# Altium PCB obc_board.PcbDoc (part 2 of 2)
Units mm, origin at the board's own origin, x right, y up, seen from the top; angles counter-clockwise.
Board outline 89 x 93.3 mm, 4 copper layers (Top Layer, Ground Plane, Power Plane, Bot Layer), stack 1.57 mm thick; 143 components, 109 nets, 735 pads, 627 vias.
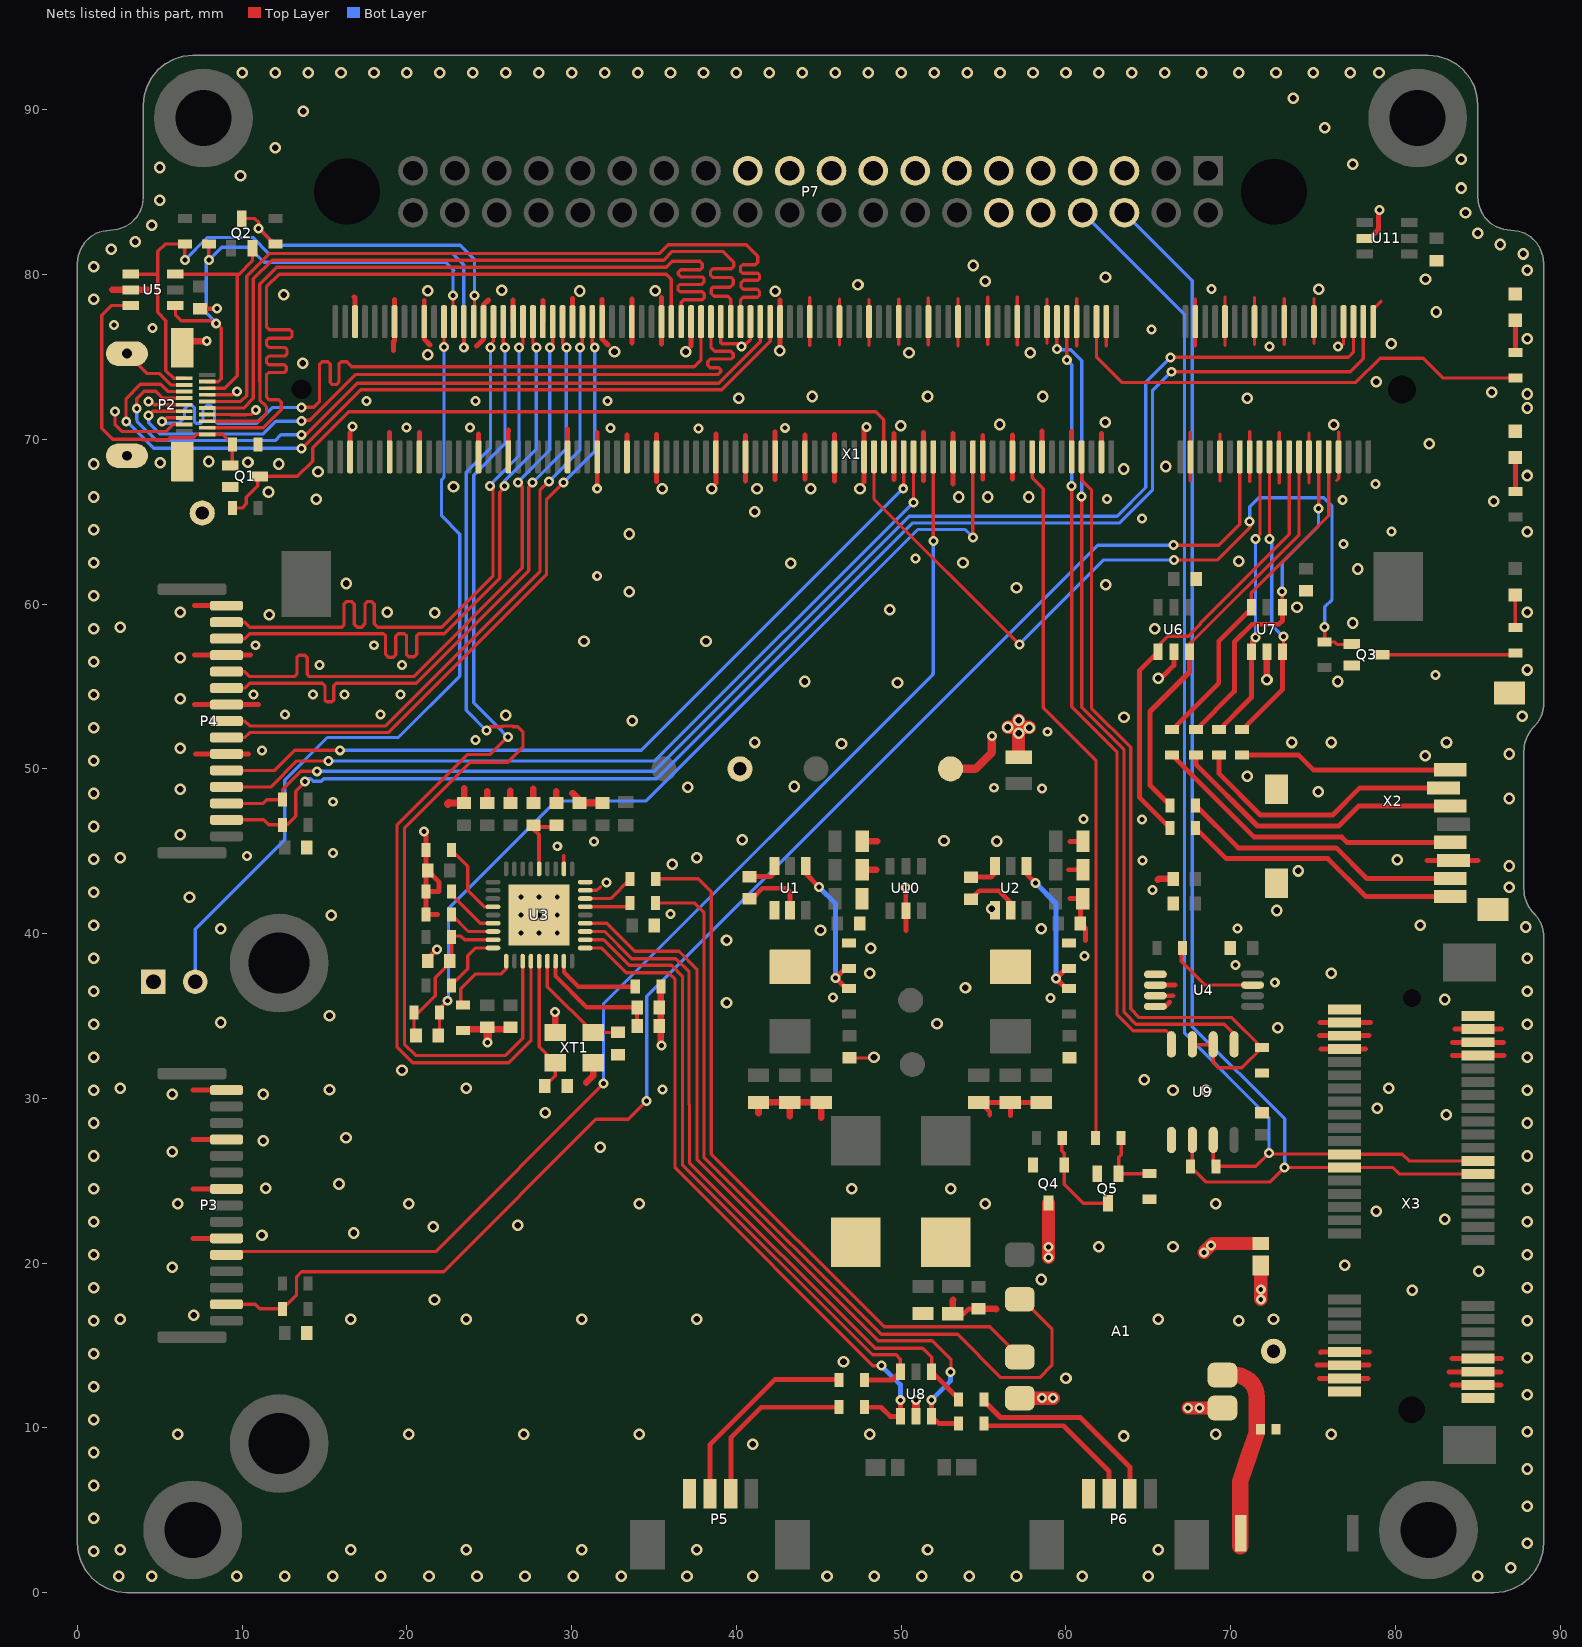
[diagram p4: the nets of this part, all layers, seen from the top]

## Via types
v1: diameter 0.705, hole 0.4, Top Layer to Bot Layer, tented both sides, 366 vias
v2: diameter 0.605, hole 0.3, Top Layer to Bot Layer, tented both sides, 251 vias
v3: diameter 0.605, hole 0.3, Top Layer to Bot Layer, 10 vias

## Nets (pads, with @x,y where several pads share a name; then routed paths per layer and width w, separated by ;. In a path a pad name is that pad's centre, name@x,y a point inside that pad or via, vN(x,y) a via of type N, cw(c..) or ccw(c..) an arc to the next point about the centre after c; other vN are vias at no path point) (continued)
CAM0_SDA: P3.14 R16.1 X1.28 | length 89.8
  Top Layer w0.2: P3.14@9.05,17.5 10.8,17.5 11.075,17.225 R16.1@12.45,17.225 13.3,18.075 13.3,19.174 13.601,19.475 22.222,19.475 31.472,28.725 33.425,28.725 v2(34.55,29.85) ; v2(66.525,63.575) 69.275,63.575 70.548,64.848 70.548,65.25 70.55,65.252 X1.28@70.55,68.938
  Bot Layer w0.2: v2(34.55,29.85) 34.55,36.2 61.928,63.578 61.931,63.575 v2(66.525,63.575)
CAM0_SHT: P3.11 X1.78 | length 73.6
  Top Layer w0.2: P3.11@9.05,20.5 9.25,20.7 21.75,20.7 31.925,30.875 v2(31.925,30.9) ; v2(51.95,63.825) 51.95,68.838 51.9,68.888 X1.78@51.95,68.938
  Bot Layer w0.2: v2(31.925,30.9) 31.925,35.725 51.95,55.75 51.9,55.8 51.95,55.85 v2(51.95,63.825)
CAM1_C_N: P4.8 X1.149 | length 39.5
  Top Layer w0.2: P4.8@9.05,52.9 10.15,52.9 10.45,52.6 18.7,52.6 28.075,61.975 28.075,66.898 v2(28.612,67.435) ; X1.149@30.65,77.138 v2@30.65,75.725 ; v2@30.65,75.725 v2(30.5,75.575) 30.548,75.575 30.65,75.677 v2@30.65,75.725
  Bot Layer w0.2: v2(28.612,67.435) 30.5,69.323 v2(30.5,75.575)
CAM1_C_P: P4.9 X1.147 | length 40.2
  Top Layer w0.2: P4.9@9.05,51.9 10.15,51.9 10.45,52.2 18.866,52.2 28.475,61.809 28.475,66.375 29.475,67.375 v2(29.5,67.375) ; X1.147@31.25,77.138 31.25,75.6 31.275,75.575 v2(31.4,75.575)
  Bot Layer w0.2: v2(29.5,67.375) 31.4,69.275 v2(31.4,75.575)
CAM1_D0_N: P4.2 X1.161 | length 39.4
  Top Layer w0.2: P4.2@9.05,58.9 10.15,58.9 10.45,58.6 16.05,58.6 16.175,58.725 16.175,60 16.325,60.15 16.65,60.15 16.8,60 16.8,58.775 16.975,58.6 17.25,58.6 17.45,58.8 17.45,60 17.6,60.15 17.875,60.15 18.025,60 18.025,58.8 18.225,58.6 22.1,58.6 25.225,61.725 25.225,67.155 25.205,67.175 v2(25.05,67.175) ; v2(26.8,75.575) 27.05,75.825 X1.161@27.05,77.138
  Bot Layer w0.2: v2(25.05,67.175) 25.05,67.236 26.8,68.986 v2(26.8,75.575)
CAM1_D0_P: P4.3 X1.159 | length 39.7
  Top Layer w0.2: P4.3@9.05,57.9 10.15,57.9 10.45,58.2 18.575,58.2 18.7,58.075 18.7,56.95 18.875,56.775 19.175,56.775 19.325,56.925 19.325,58.05 19.475,58.2 19.85,58.2 19.975,58.075 19.975,56.925 20.1,56.8 20.45,56.8 20.6,56.95 20.6,58.075 20.725,58.2 22.266,58.2 25.625,61.559 25.625,66.775 25.926,67.076 v2(25.926,67.178) ; X1.159@27.65,77.138 27.65,75.825 27.851,75.624 v2(27.851,75.579)
  Bot Layer w0.2: v2(25.926,67.178) 25.926,67.476 27.851,69.401 v2(27.851,75.579)
CAM1_D1_N: P4.5 X1.155 | length 39
  Top Layer w0.2: P4.5@9.05,55.9 10.15,55.9 10.45,55.6 13.175,55.6 13.325,55.75 13.325,56.775 13.45,56.9 13.8,56.9 13.95,56.75 13.95,55.725 14.075,55.6 20.4,55.6 27,62.2 27,67.125 26.975,67.125 26.751,67.349 v2(26.751,67.378) ; v2(28.675,75.575) 28.85,75.75 X1.155@28.85,77.138
  Bot Layer w0.2: v2(26.751,67.378) 26.751,67.426 28.675,69.35 v2(28.675,75.575)
CAM1_D1_P: P4.6 X1.153 | length 39.4
  Top Layer w0.2: P4.6@9.05,54.9 10.15,54.9 10.45,55.2 14.875,55.2 15.025,55.05 15.025,54.175 15.125,54.075 15.45,54.075 15.55,54.175 15.55,55.05 15.7,55.2 20.566,55.2 27.4,62.034 27.4,67.102 27.626,67.328 v2(27.626,67.378) ; X1.153@29.45,77.138 29.45,75.8 v2(29.675,75.575)
  Bot Layer w0.2: v2(27.626,67.378) 29.675,69.427 v2(29.675,75.575)
CAM1_LED: P4.12 X1.82 | length 51.6
  Top Layer w0.2: P4.12@9.05,48.9 11.75,48.9 13.325,50.475 v2(15.25,50.475) ; v2(50.75,66.175) X1.82@50.75,68.938
  Bot Layer w0.2: v2(15.25,50.475) 35.05,50.475 v2(50.75,66.175)
CAM1_SCL: P4.13 R19.1 X1.5 | length 85.7
  Top Layer w0.2: P4.13@9.05,47.9 11.275,47.9 11.5,48.125 R19.1@12.45,48.125 12.45,48.75 13.55,49.85 v2(14.55,49.85) ; v2(66.35,74.975) 77.15,74.975 77.45,75.275 X1.5@77.45,77.138
  Bot Layer w0.2: v2(14.55,49.85) 35,49.85 50.475,65.325 63.1,65.325 64.85,67.075 64.85,73.475 v2(66.35,74.975)
CAM1_SDA: P4.14 R18.1 X1.3 | length 87.6
  Top Layer w0.2: P4.14@9.05,46.9 11.3,46.9 11.6,46.6 R18.1@12.45,46.6 12.725,46.6 13.25,47.125 13.25,48.625 13.825,49.2 v2(13.825,49.225) ; v2(66.4,74.1) 77.25,74.1 78.05,74.9 X1.3@78.05,77.138
  Bot Layer w0.2: v2(13.825,49.225) 14,49.4 14.148,49.4 14.3,49.247 14.8,49.247 14.952,49.4 35.175,49.4 50.7,64.925 63.266,64.925 65.25,66.909 65.25,72.95 v2(66.4,74.1)
CAM1_SHT: P4.11 X1.84 | length 50.1
  Top Layer w0.2: P4.11@9.05,49.9 11.975,49.9 13.2,51.125 v2(15.925,51.125) ; v2(50.125,67) 50.15,67.025 X1.84@50.15,68.938
  Bot Layer w0.2: v2(15.925,51.125) 34.225,51.125 50.1,67 v2(50.125,67)
EMMC_EN: Q3.1 R27.1 X1.90 | length 48.9
  Top Layer w0.2: X1.90@48.35,68.938 48.35,66.375 v2(57.175,57.55) ; v2(66.55,62.675) 69.2,62.675 71.2,64.675 71.2,64.95 v2(71.15,65) ; v2(75.7,58.6) R27.1@75.7,57.7 76.3,57.7 76.45,57.55 77.325,57.55 Q3.1@77.35,57.575
  Bot Layer w0.2: v2(57.175,57.55) 62.3,62.675 v2(66.55,62.675) ; v2(71.15,65) 71.15,65.9 71.7,66.45 75.65,66.45 76.15,65.95 76.15,60.275 75.7,59.825 v2(75.7,58.6)
GND: C2.2 C3.2 C4.1 C5.1 C6.2 C7.2 C8.2 C9.2 C10.2 C12.2 C13.2 C14.1 C15.1 C16.2 C17.2 C18.2 C19.2 C20.2 C21.1 C22.1 C23.1 C24.1 C25.1 C26.1 C27.1 C29.1 C30.1 C31.1 C32.1 C33.2 C34.1 C35.1 C36.1 C37.1 C38.1 C39.1 C40.1 C41.1 C42.1 C43.1 C44.1 C45.1 C46.2 C47.1 C48.1 C49.1 C50.1 D1.1 D2.1 D4.1 JP3.1 P1.1 P2.4 P2.7 P2.10 P2.13 P2.16 P2.20 P2.21 P2.22 P2.23 P3.1 P3.4 P3.7 P3.10 P4.1 P4.4 P4.7 P4.10 P5.4 P6.4 P7.5 P7.7 P7.9 P7.11 P7.13 P7.15 P7.17 P7.19 P7.21 P7.23 Q1.2 Q3.2 Q4.2 Q5.2 R3.1 R5.1 R8.1 R15.1 R35.1 R36.1 R37.1 R38.1 R41.1 R43.1 TP5.0 TP6.0 TP7.0 U1.1 U2.1 U3.8 U3.9 U3.11 U3.37 U4.1 U4.2 U4.3 U4.4 U5.2 U6.2 U7.2 U8.2 U9.5 U10.2 U11.2 X1.1 X1.7 X1.8 X1.13 X1.14 X1.19 X1.20 X1.25 X1.26 X1.31 X1.32 X1.37 X1.38 X1.43 X1.44 X1.49 X1.50 X1.55 X1.56 X1.61 X1.62 X1.67 X1.68 X1.73 X1.74 X1.79 X1.80 X1.85 X1.86 X1.91 X1.92 X1.97 X1.98 X1.103 X1.104 X1.109 X1.110 X1.115 X1.116 X1.121 X1.122 X1.127 X1.133 X1.134 X1.139 X1.140 X1.145 X1.146 X1.151 X1.152 X1.157 X1.163 X1.164 X1.169 X1.170 X1.181 X1.182 X1.187 X1.188 X1.195 X1.196 X2.6 X2.9 X2.10 X2.11 X2.12 X3.1 X3.2 X3.3 X3.4 X3.5 X3.6 X3.7 X3.8 X3.45 X3.46 X3.47 X3.48 X3.49 X3.50 X3.51 X3.52 XT1.2 XT1.4 | length 297.6
  Top Layer w0.2: v2(2.275,71.675) 2.275,70.91 2.713,70.473 5.375,70.473 5.802,70.9 P2.4@6.475,70.9 ; P2.23@3,75.2 4.2,74 4.975,74 5.675,73.3 P2.16@6.475,73.3 ; v2(4.325,72.3) 4.45,72.3 4.65,72.1 P2.10@6.475,72.1 ; P2.7@7.875,71.5 9.322,71.5 9.325,71.497 10.256,71.497 10.258,71.5 10.55,71.5 v2(10.825,71.775) ; P2.13@7.875,72.7 9.425,72.7 9.675,72.95 v2(9.675,72.904) ; U3.11@29.525,43.925 29.525,44.725 ; U3.8@30.825,42.625 31.525,42.625 31.75,42.85 ; X1.121@39.05,77.138 39.05,75.85 39.1,75.8 40.6,75.8 40.85,76.05 X1.115@40.85,77.138 ; 44.45,75.7 X1.103@44.45,77.138 44.45,78.6 ; 46.25,75.725 X1.97@46.25,77.138 46.25,78.5 ; C10.2@46.975,32.45 48.3,32.45 v1(48.35,32.5) ; 48.05,75.7 X1.91@48.05,77.138 48.05,78.475 ; 49.85,75.75 X1.85@49.85,77.138 49.85,78.5 ; 51.65,75.725 X1.79@51.65,77.138 51.65,78.575 ; 53.45,75.675 X1.73@53.45,77.138 53.45,78.55 ; 55.25,75.775 X1.67@55.25,77.138 55.25,78.625 ; 57.05,75.725 X1.61@57.05,77.138 57.05,78.625 ; 58.85,75.825 X1.55@58.85,77.138 58.85,78.5 ; 60.65,75.675 X1.49@60.65,77.138 60.65,78.525 ; 62.45,75.675 X1.43@62.45,77.138 ; 67.55,67.475 X1.38@67.55,68.938 67.55,70.425 ; 67.85,75.675 X1.37@67.85,77.138 67.85,78.5 ; 69.35,67.475 X1.32@69.35,68.938 69.35,70.325 ; 69.65,75.7 X1.31@69.65,77.138 69.65,78.625 ; 71.15,67.45 X1.26@71.15,68.938 71.15,70.45 ; 71.45,75.775 X1.25@71.45,77.138 71.45,78.6 ; 72.95,67.35 X1.20@72.95,68.938 72.95,70.4 ; 73.25,75.775 X1.19@73.25,77.138 73.25,78.525 ; 74.75,67.35 X1.14@74.75,68.938 74.75,70.375 ; 75.05,75.825 X1.13@75.05,77.138 75.05,78.55 ; 76.425,67.5 76.55,67.625 X1.8@76.55,68.938 76.55,70.425 ; 76.85,75.75 X1.7@76.85,77.138 ; X1.1@78.65,77.138 78.65,77.9 79.125,78.375
  Top Layer w0.3: 7,21.5 P3.10@9.05,21.5 ; 7,24.5 P3.7@9.05,24.5 ; 7,27.5 P3.4@9.05,27.5 ; 7,30.5 P3.1@9.05,30.5 ; 7.1,53.9 P4.7@9.05,53.9 11,53.9 ; 7.1,56.9 P4.4@9.05,56.9 10.5,56.9 ; 7.1,59.9 P4.1@9.05,59.9 ; 7.15,50.9 P4.10@9.05,50.9 10.4,50.9 ; C37.1@7.45,77.925 v2@8.425,77.925 ; X1.196@16.55,68.938 16.55,70.425 ; 16.8,78.65 16.85,78.6 X1.195@16.85,77.138 ; X1.188@18.95,68.938 18.95,70.4 ; 19.175,75.397 19.175,75.925 19.25,76 X1.187@19.25,77.138 19.25,78.5 ; X1.182@20.75,68.938 20.75,70.425 ; v2(21.025,46.2) 21.15,46.075 R35.1@21.15,45.075 R36.1@21.15,42.555 ; 21.05,78.425 X1.181@21.05,77.138 21.05,76.075 21.4,75.725 ; C33.2@21.25,38.32 21.25,38.452 21.835,39.037 v2(21.835,39.04) ; C35.1@21.25,43.825 21.955,43.12 21.955,42.555 R36.1@21.15,42.555 ; 21.86,41.16 R37.1@21.15,41.16 R36.1@21.15,42.555 ; 24.225,75.65 24.424,75.849 ; X1.170@24.35,68.938 24.35,70.325 ; 24.424,75.849 24.65,76.075 X1.169@24.65,77.138 24.65,78.156 24.947,78.453 ; X1.164@26.15,68.938 26.15,70.475 26.175,70.5 26.175,70.575 ; X1.163@26.45,77.138 26.45,78.45 ; X1.157@28.25,77.138 28.25,78.425 ; X1.152@29.75,68.938 29.75,70.625 ; X1.151@30.05,77.138 30.05,78.55 ; v2(31.55,67) X1.146@31.55,68.938 31.55,70.4 ; 31.85,78.475 X1.145@31.85,77.138 31.85,76.075 32.2,75.725 ; X1.140@33.35,68.938 33.35,70.275 ; 33.65,75.85 X1.139@33.65,77.138 33.65,78.525 ; 35.15,67.45 X1.134@35.15,68.938 35.15,70.3 ; 35.45,75.775 X1.133@35.45,77.138 35.45,78.6 ; 37.25,75.65 X1.127@37.25,77.138 ; 38.75,67.35 X1.122@38.75,68.938 38.75,70.325 ; 40.55,67.475 X1.116@40.55,68.938 40.55,70.225 ; 42.35,67.55 X1.110@42.35,68.938 42.35,70.45 ; v1(42.625,75.375) 42.65,75.4 X1.109@42.65,77.138 42.65,78.45 ; 44.15,67.6 X1.104@44.15,68.938 44.15,70.275 ; 45.95,67.475 X1.98@45.95,68.938 45.95,70.3 ; 47.75,67.4 X1.92@47.75,68.938 47.75,70.6 v2(47.9,70.75) ; 49.55,67.55 X1.86@49.55,68.938 49.55,70.35 ; v2(50.275,42.8) 50.275,41.391 U10.2@50.279,41.387 50.279,40.179 ; v2@50.9,11.674 v2(50.901,11.676) ; 51.35,67.5 X1.80@51.35,68.938 51.35,70.425 ; C47.1@53.125,16.925 53.8,16.925 54.1,17.225 C48.1@54.7,17.225 ; 53.15,67.3 X1.74@53.15,68.938 53.15,70.35 ; C19.2@54.713,29.75 C19.2@54.8,29.75 ; 54.95,67.575 X1.68@54.95,68.938 54.95,70.225 ; 55.375,29 55.375,29.175 C19.2@54.8,29.75 ; 56.625,28.95 C18.2@56.625,29.75 ; 56.75,67.575 X1.62@56.75,68.938 56.75,70.275 ; C17.2@58.513,29.75 C18.2@56.625,29.75 ; X1.56@58.55,68.938 58.55,70.5 ; 60.158,43.875 C14.1@61.033,43.875 ; 60.25,42.125 C16.2@61.025,42.125 60.875,41.975 C13.2@60.875,40.625 61.175,40.325 61.175,39.575 ; 60.25,45.6 C15.1@61.033,45.6 C15.1@60.958,45.525 ; X1.50@60.35,68.938 60.35,70.475 ; X1.44@62.15,68.938 62.15,70.35 ; U4.4@65.425,35.575 66.025,35.575 66.3,35.85 ; U4.3@65.425,36.225 66.5,36.225 ; U4.2@65.425,36.875 66.625,36.875 ; 65.95,55.675 66.55,56.275 U6.2@66.55,57.1 ; 75.225,13.8 X3.6@76.9,13.8 78.4,13.8 ; 75.375,13 X3.4@76.9,13 78.325,13 ; 75.4,33.8 X3.48@76.9,33.8 78.4,33.8 ; 75.425,34.6 X3.50@76.9,34.6 78.475,34.6 ; 75.45,14.575 75.475,14.6 X3.8@76.9,14.6 78.425,14.6 ; 75.475,33 X3.46@76.9,33 78.175,33 ; U11.2@78.125,82.2 78.445,82.2 78.975,82.73 78.975,83.875 v2(79.025,83.925) ; 81.915,44.44 X2.6@83.525,44.44 85.015,44.44 ; 83.25,13.4 X3.5@85,13.4 86.4,13.4 ; 83.425,12.6 X3.3@85,12.6 86.4,12.6 ; 83.425,14.2 X3.7@85,14.2 86.425,14.2 ; 83.45,32.6 X3.45@85,32.6 86.6,32.6 ; 83.45,33.4 X3.47@85,33.4 86.55,33.4 ; 83.625,34.2 X3.49@85,34.2 86.45,34.2 ; C19.2@54.8,29.75 C18.2@56.625,29.75
  Top Layer w0.4: 2.125,79.075 U5.2@3.25,79.075 4.275,79.075 ; P2.22@6.37,75.55 P2.22@6.77,75.95 ; P2.22@6.845,76.025 P2.22@6.77,75.95 ; v2@7.8,75.95 P2.22@6.77,75.95 ; v2(21.835,39.04) 21.882,39.04 v2@21.924,39.082 ; 22.55,47.925 C21.1@23.475,47.925 23.475,48.825 ; R38.1@23.225,34.2 24.9,34.2 C23.1@25.975,34.2 ; C22.1@24.875,47.925 24.875,48.625 ; C34.1@26.275,47.925 26.275,48.675 ; C31.1@27.675,47.925 27.675,48.775 ; XT1.2@29,34 v2(29,35.25) ; C32.1@29.075,47.925 29.075,48.625 ; 30.05,48.525 30.475,48.1 C26.1@30.475,47.925 C27.1@31.875,47.925 ; 30.875,30.95 31.3,31.375 XT1.4@31.3,32.15 ; v2@35.409,33.334 R8.1@35.409,36.775 ; 41.338,29.087 C9.2@41.338,29.75 C8.2@43.238,29.75 ; 43.238,28.913 C8.2@43.238,29.75 ; 45.138,28.813 C7.2@45.138,29.75 C8.2@43.238,29.75 ; C5.1@47.636,43.875 48.475,43.875 ; C4.1@47.636,45.6 48.55,45.6 ; C47.1@53.125,16.925 53.125,17.75 53.15,17.775 ; C48.1@54.7,17.225 55.75,17.225 55.775,17.2 ; 65.575,43.275 65.625,43.325 C40.1@66.5,43.325 ; 72.2,55.775 U7.2@72.2,57.1
  Top Layer w0.5: 22.5,47.875 22.55,47.925 ; C24.1@24.875,34.3 24.9,34.275 24.9,34.2 v2(24.9,33.4) ; U8.2@50.9,10.7 v2@50.9,11.674
  Top Layer w0.8: v2(71.825,17.8) v2(71.825,18.4) JP3.1@71.825,19.85
  other v1: 2.5,1 4.5,1 9.675,1 12.591,1 15.506,1 18.422,1 21.337,1 24.253,1 27.169,1 30.084,1 33,1 37,1 41,1 45.5,1 48.375,1 51.25,1 54.125,1 57,1 61,1 65,1 85,1 87,1.5 1,2.5 2.6,2.6 16.6,2.6 23.6,2.6 30.6,2.6 37.6,2.6 51.6,2.6 65.6,2.6 88,3 1,4.5 88,5.25 1,6.5 88,7.5 1,8.5 41,9 63.5,9.5 6.1,9.6 20.1,9.6 27.1,9.6 34.1,9.6 48.1,9.6 69.1,9.6 76.1,9.6 88,9.75 1,10.5 88,12 1,12.5 60,13 46.5,14 88,14.25 1,14.5 1,16.5 70.5,16.5 88,16.5 2.6,16.6 16.6,16.6 23.6,16.6 30.6,16.6 37.6,16.6 65.6,16.6 72.6,16.6 7.05,16.825 21.675,17.775 81.025,18.35 1,18.5 88,18.5 58.5,19 85.05,19.5 5.75,19.75 76.925,19.875 1,20.5 88,20.5 62,21 66.5,21 11.2,21.7 16.775,21.825 21.6,22.2 26.725,22.3 1,22.5 88,22.5 83,22.65 78.825,23.15 6.1,23.6 20.1,23.6 34.1,23.6 55.1,23.6 69.1,23.6 1,24.5 47,24.5 53,24.5 88,24.5 11.425,24.55 15.875,24.8 1,26.5 88,26.5 5.75,26.75 31.725,27.025 11.275,27.425 16.3,27.6 1,28.5 88,28.5 83.075,29 28.4,29.125 78.9,29.4 5.75,30.25 11.275,30.25 1,30.5 66.5,30.5 68.5,30.5 88,30.5 15.3,30.525 2.6,30.6 23.6,30.6 79.6,30.6 64.75,31.125 19.7,31.7 1,32.5 88,32.5 72.85,34.275 1,34.5 88,34.5 52.175,34.525 8.7,34.6 15.3,35 39.4,35.8 83,36 1,36.5 88,36.5 53.9,36.7 48.1,37.6 76.1,37.6 1,38.5 88,38.5 48.15,39.1 39.4,39.6 45.1,40.2 8.7,40.3 58.5,40.3 87.9,40.4 1,40.5 81.5,40.5 15.4,41.1 72.8,41.4 55.5,41.5 6.8,42.2 1,42.5 86.9,42.8 74.1,43.8 86.9,44.1 36.1,44.2 80.1,44.475 1,44.5 2.6,44.6 37.6,44.6 55.8,45.6 52.6,45.625 40.35,45.7 6.25,46 1,46.5 86.9,48.2 1,48.5 75.325,48.6 6.25,48.75 37.05,48.875 43.5,48.925 71,49.55 1,50.5 81.8,50.8 86.9,50.9 6.25,51.25 46.375,51.525 41.1,51.6 73.7,51.6 76.1,51.6 83.1,51.6 1,52.5 33.675,52.925 63.525,53.125 87.7,53.2 26,53.25 6.25,54.25 1,54.5 49.775,55.225 44.15,55.3 76.5,55.3 72.2,55.4 65.6,55.5 88,56 1,56.5 6.25,56.75 30.75,57.75 38.15,57.75 1,58.5 65.4,58.5 2.6,58.6 77.4,58.85 11.65,59.35 21.7,59.475 6.25,59.5 18.8,59.5 88,59.5 49.3,59.65 74.025,59.8 1,60.5 33.5,60.75 57,61 62.425,61.175 16.325,61.25 77.7,62.125 43.3,62.475 1,62.5 53.75,62.5 70.5,62.6 33.5,64.25 88,64.4 1,64.5 41.1,65.6 85.975,66.25 14.5,66.35 1,66.5 53.5,66.5 55.25,66.5 57.75,66.5 11.6,66.8 35.5,67 38.5,67 41.25,67 44.5,67 47.5,67 22.825,67.125 88,67.8 14.6,68.025 63.5,68.2 66.05,68.35 1,68.5 12.225,68.5 5.025,68.575 10.35,68.6 7.975,68.65 82.05,69.725 49.975,70.825 76.25,70.875 55.975,70.9 62.375,71.025 88,71.9 40.15,72.5 71,72.5 44.6,72.6 51.6,72.6 58.6,72.6 88,72.75 85.85,72.85 78.825,73.5 13.675,74.625 21.275,75.125 50.475,75.25 57.825,75.25 32.6,75.325 36.925,75.325 79.75,75.8 88,76.1 82.475,77.725 1,78.5 12.525,78.775 42.35,78.975 30.5,79 21.275,79.025 35.075,79.025 25.75,79.05 75.35,79.1 47.375,79.375 55.1,79.6 81.825,79.725 62.4,79.825 88,80.25 1,80.475 54.375,80.55 87.75,81.25 2.05,81.525 86.35,81.825 3.5,82 85,82.5 4.5,83 84.25,83.75 5,84.5 84,85.25 9.9,86 5,86.5 77.4,86.7 84,87 12,87.7 75.7,88.9 13.7,89.9 73.8,90.7 10,92.25 12,92.25 14,92.25 16,92.25 18,92.25 20,92.25 22,92.25 24,92.25 26,92.25 28,92.25 30,92.25 32,92.25 34,92.25 36,92.25 38,92.25 40,92.25 42,92.25 44,92.25 46,92.25 48,92.25 50,92.25 52,92.25 54,92.25 56,92.25 58,92.25 60,92.25 62,92.25 64,92.25 66,92.25 68.25,92.25 70.5,92.25 72.75,92.25 75,92.25 77.25,92.25 79,92.25
  other v2: 35.525,30.525 35.45,33.2 59.075,36.1 45.85,36.125 72.675,37.025 70.3,38.1 61.125,38.625 26.925,40.025 28.025,40.025 29.125,40.025 70.4,40.3 26.925,41.125 28.025,41.125 29.125,41.125 36,41.175 26.925,42.225 28.025,42.225 29.125,42.225 65.25,42.65 32.125,43.1 64.65,44.425 10.3,44.7 15.5,44.9 29.125,45.3 31.35,45.575 64.625,46.925 61.075,46.95 15.5,48 58.55,48.8 55.625,48.85 11.2,51.1 24.175,51.75 58.875,52.25 12.6,53.3 18.4,53.3 10.7,54.5 14.3,54.5 16.2,54.5 19.6,54.5 82.425,55.7 14.7,56.3 19.7,56.3 10.8,57.5 18,57.5 31.55,61.7 50.875,62.775 76.85,63.65 79.75,64.4 64.625,65.2 76.8,66.325 62.5,66.375 78.8,67.275 37.7,70.65 32.35,70.675 42.95,70.7 19.975,70.725 23.825,70.725 16.7,70.775 17.55,72.325 24.175,72.325 32.175,72.325 40.3,75.625 72.35,75.625 76.5,75.625 7.85,75.975 65.2,76.675 4.55,76.75 2.225,76.95 8.475,77.95 68.825,79.125
HAB_RESET: C28.1 R7.1 X1.70 | length 54.5
  Top Layer w0.2: C28.1@21.9,33.8 21.975,33.875 R7.1@21.975,35.2 21.975,35.425 v2(22.473,35.922) ; v2(54.35,64.05) X1.70@54.35,68.938
  Bot Layer w0.2: v2(22.473,35.922) 22.473,35.965 22.507,36 22.529,35.979 22.529,41.529 29.05,48.05 34.525,48.05 51,64.525 53.875,64.525 v2(54.35,64.05)
HCRFILT: C31.2 C32.2 U3.14 | length 3.9
  Top Layer w0.25: C31.2@27.675,46.475 C32.2@29.075,46.475 ; C31.2@27.725,46.3 28.025,46 U3.14@28.025,43.925
HDMI_CEC: Q2.3 R14.1 X1.171 | length 20.6
  Top Layer w0.2: Q2.3@9.975,83.4 10.775,83.4 11,83.175 v2(11,82.804) 11.954,81.85 R14.1@12.025,81.85 ; X1.171@24.05,77.138 24.1,77.188 v2(24.1,78.725)
  Bot Layer w0.2: v2(11,82.804) 12.029,81.775 23.25,81.775 24.1,80.925 v2(24.1,78.725)
HDMI_CEC_PIN: P2.15 Q2.2 U5.6 | length 14.1
  Top Layer w0.2: U5.6@5.95,80.025 9.7,80.025 ; P2.15@7.875,73.1 8.95,73.1 9.7,73.85 9.7,80.025 ; Q2.2@10.625,81.6 10.625,80.825 9.825,80.025 9.7,80.025
HDMI_CLK_N: P2.14 X1.111 | length 49.3
  Top Layer w0.2: v2@2.963,70.925 3,70.925 2.95,70.975 2.95,71.075 2.95,72.475 3.825,73.35 5.05,73.35 5.5,72.9 P2.14@6.475,72.9 ; v2@13.6,69.475 13.675,69.475 17.2,73 39.1,73 42.05,75.95 X1.111@42.05,77.138
  Bot Layer w0.2: v2@2.963,70.925 3.165,70.925 3.165,70.924 4.639,69.45 v2(13.6,69.45)
  other v2: 2.963,71.075
HDMI_CLK_P: P2.12 X1.113 | length 46.6
  Top Layer w0.2: v2(3.6,71.879) 3.6,72.475 4.05,72.925 4.75,72.925 5.175,72.5 P2.12@6.475,72.5 ; v2@13.6,70.3 13.875,70.3 16.975,73.4 38.934,73.4 41.45,75.916 X1.113@41.45,77.138
  Bot Layer w0.2: v2(3.6,71.879) 3.6,71.21 3.615,71.195 3.615,71.11 4.802,69.923 5.786,69.923 5.788,69.925 12.002,69.925 12.352,70.275 v2(13.6,70.275)
HDMI_D0_N: P2.11 X1.117 | length 50.7
  Top Layer w0.2: P2.11@7.875,72.3 9.423,72.3 9.653,72.3 9.656,72.297 9.925,72.297 10.278,72.65 10.278,72.654 ; 10.278,72.654 10.278,73.153 10.275,73.156 10.275,79.897 11.653,81.275 35.325,81.275 35.85,81.8 40.6,81.8 41.3,81.1 41.3,80.75 41.15,80.6 40.375,80.6 40.242,80.467 40.242,80.208 40.375,80.075 41.3,80.075 41.4,79.975 41.4,79.75 41.3,79.65 40.45,79.65 40.275,79.475 40.275,79.25 40.425,79.1 41.275,79.1 41.4,78.975 41.4,78.75 41.275,78.625 40.4,78.625 40.25,78.475 X1.117@40.25,77.138